# Altium PCB Audio-Beamformer_V1.0.PcbDoc (part 10 of 11) (continued)
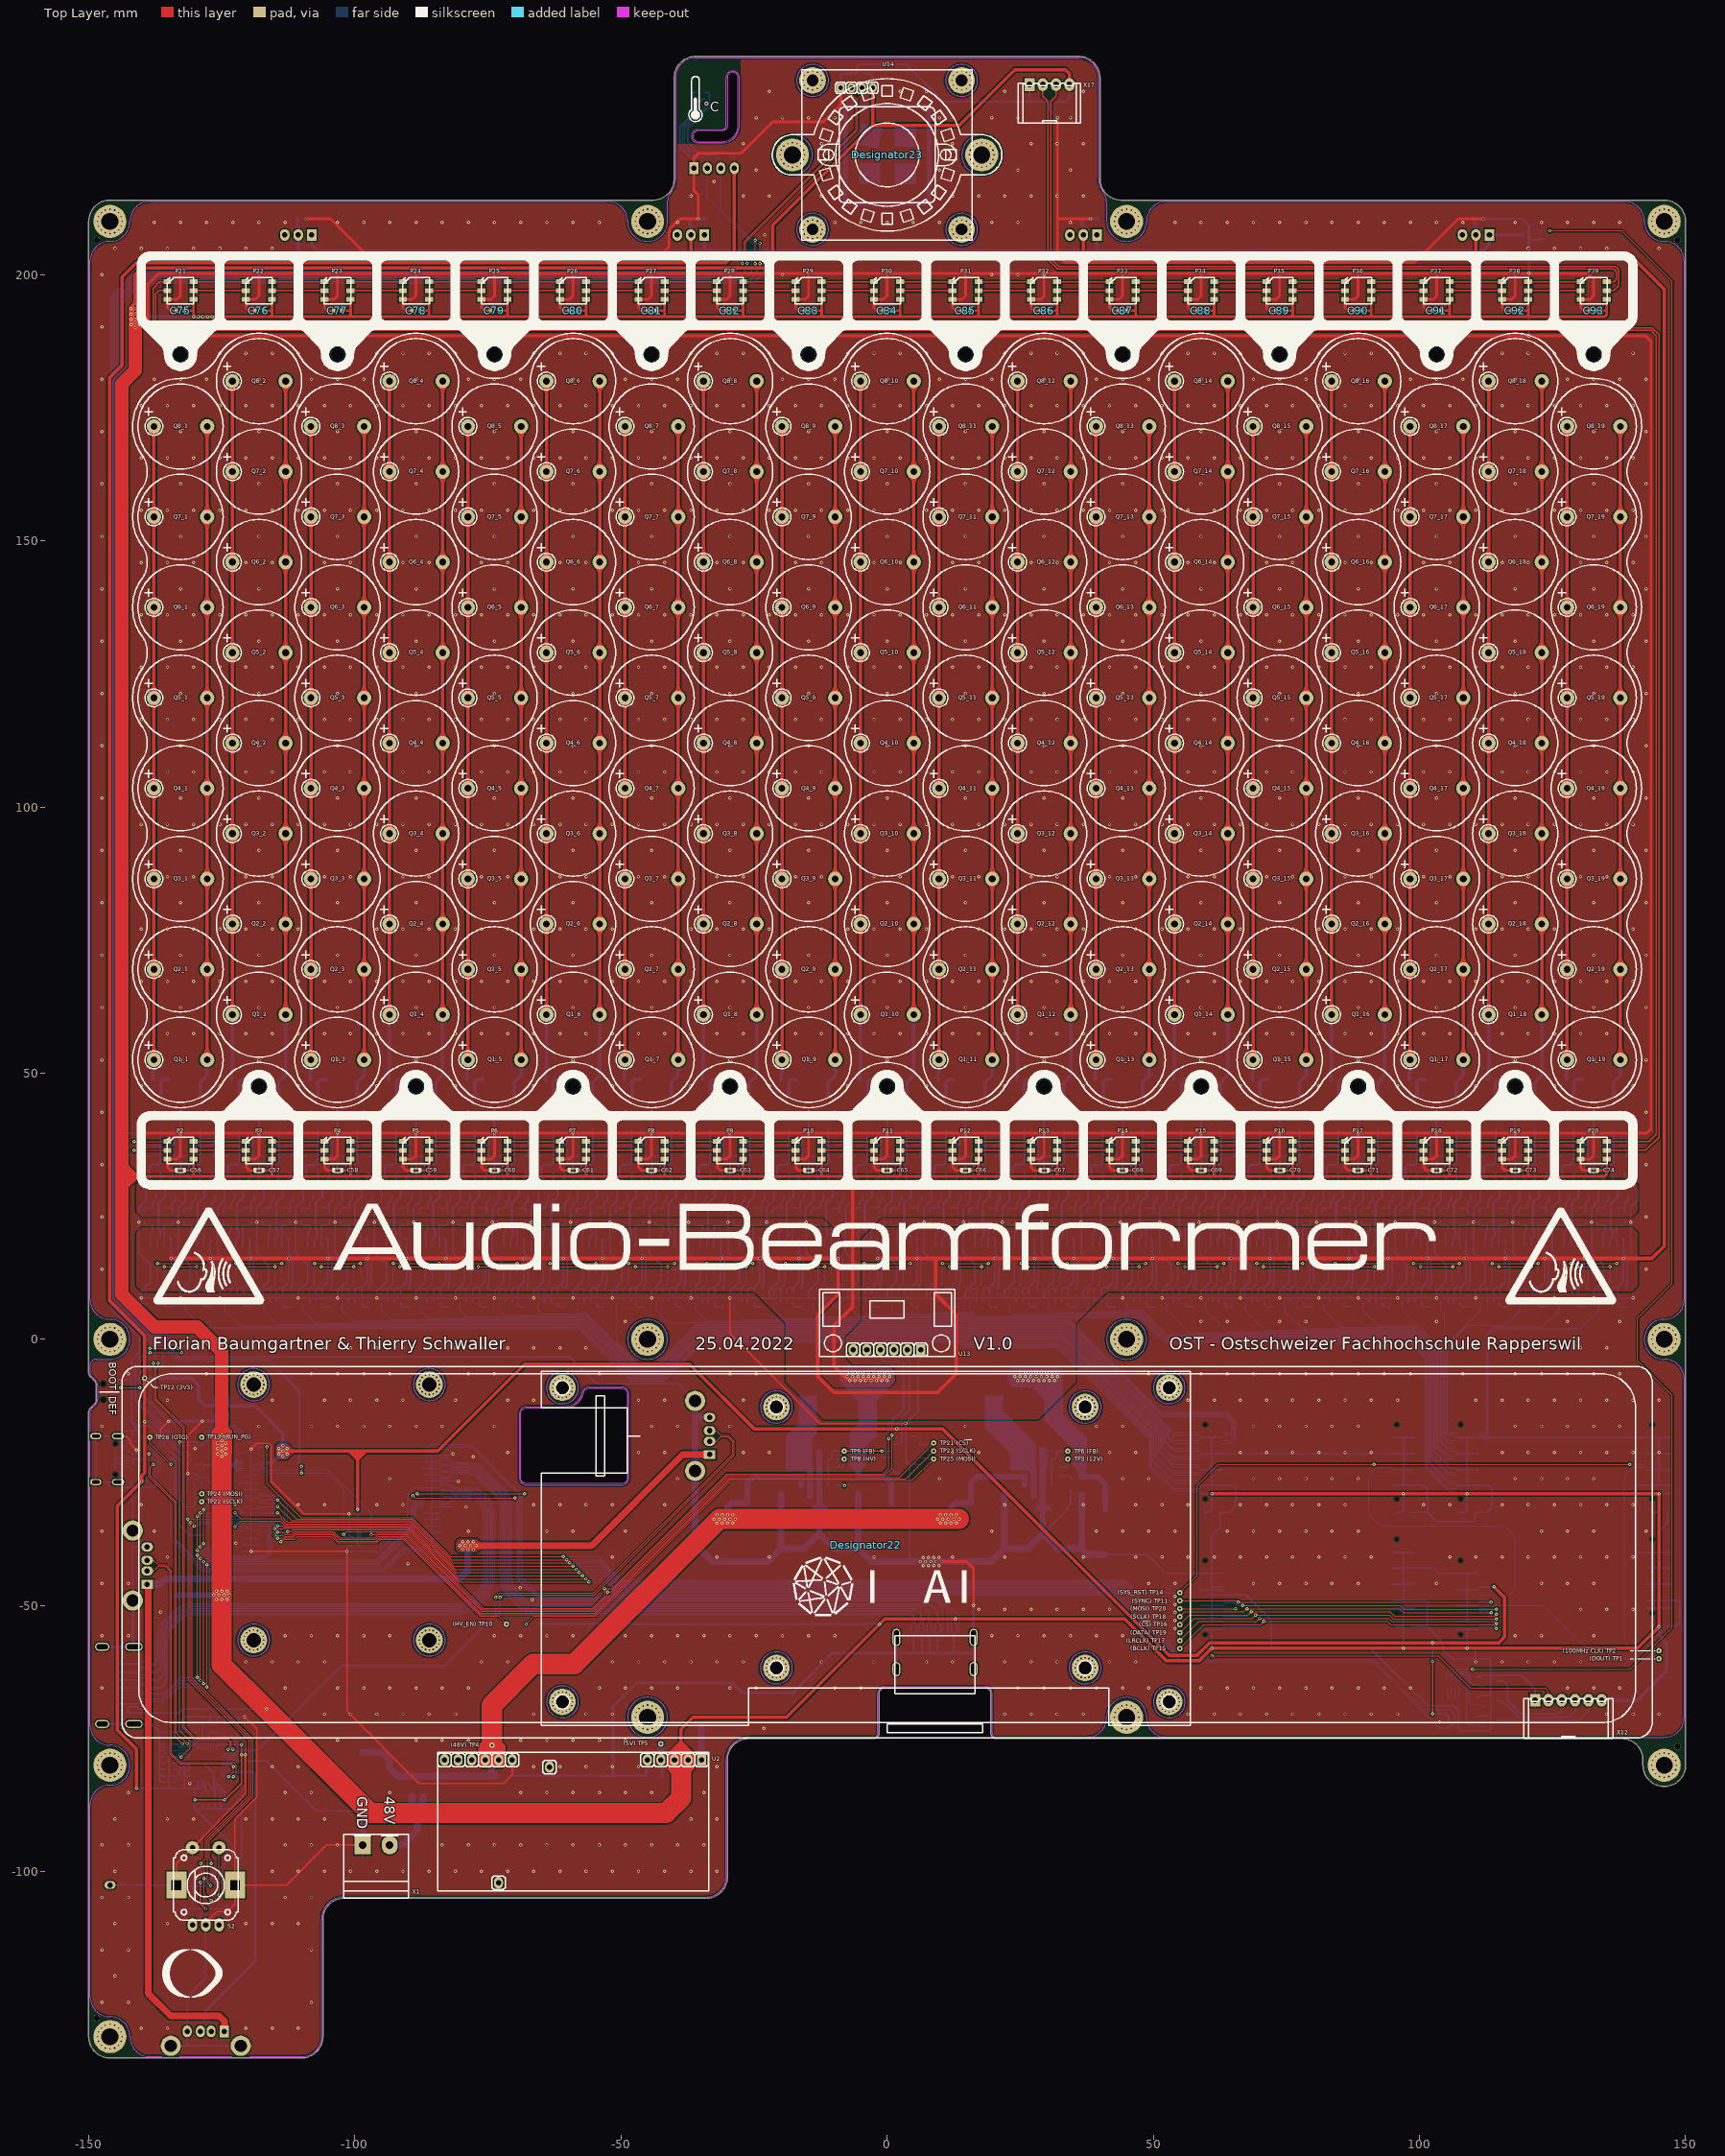
[diagram p0: Top Layer view]
## Nets (pads, with @x,y where several pads share a name; then routed paths per layer and width w, separated by ;. In a path a pad name is that pad's centre, name@x,y a point inside that pad or via, vN(x,y) a via of type N, cw(c..) or ccw(c..) an arc to the next point about the centre after c; other vN are vias at no path point) (continued)

## Polygon pours and split planes (outlines as drawn)
A14_2 on Bottom Layer "GND" (solid, remove dead copper, pour order 26): -146,-135 cw(c-146,-131) -150,-131 -150,210 cw(c-146,210) -146,214 -44,214 ccw(c-44,218) -40,218 -40,224.5 -31,224.5 ccw(c-31,228) -27.5,228 -27.5,241 36,241 cw(c36,237) 40,237 40,218 ccw(c44,218) 44,214 146,214 cw(c146,210) 150,210 150,-80 cw(c146,-80) 146,-84 cw(c146,-80) 142,-80 142,-79 ccw(c138,-79) 138,-75 20.5,-75 cw(c20.5,-74) 19.5,-74 19.5,-66.5 ccw(c18.5,-66.5) 18.5,-65.5 -0.5,-65.5 ccw(c-0.5,-66.5) -1.5,-66.5 -1.5,-74 cw(c-2.5,-74) -2.5,-75 -26,-75 ccw(c-26,-79) -30,-79 -30,-101 cw(c-34,-101) -34,-105 -102,-105 ccw(c-102,-109) -106,-109 -106,-131 cw(c-110,-131) -110,-135 -143.5,-135
48V on Bottom Layer "48V_L02_P023" (solid, remove dead copper, pour order 23): -100,-74.5 -100,-80.5 -95.25,-80.5 -91.25,-84.5 -72.5,-84.5 -71.75,-83.75 -71.75,-77 -73.5,-75.25 -75,-75.25 -77,-77.25 -77,-80 -77.75,-80.75 -84.25,-80.75 -85.5,-79.5 -90.5,-79.5 -95.5,-74.5
NetD1_A on Bottom Layer "NETD1_A_L02_P022" (solid, remove dead copper, pour order 22): -95.25,-96.25 -94.5,-97 -90.5,-97 -86,-92.5 -86,-85 -90.5,-85 -90.5,-88.75 -95.25,-93.5
5V on Bottom Layer "5V_L02_P020" (solid, remove dead copper, pour order 20): -142.5,190.35 -141.9,189.75 -140.6,189.75 -138.25,192.1 -140.65,194.5 -141.85,194.5 -142.5,193.85
5V on Bottom Layer "5V_L02_P019" (solid, remove dead copper, pour order 19): -122.1,-22.5 -122.1,-24.7 -122.3,-24.7 -122.7,-24.3 -127.1,-24.3 -127.1,-23.05 -126.9,-22.851 -122.65,-22.851 -122.3,-22.5
A17_1 on Bottom Layer "A17_1_L02_P018" (solid, remove dead copper, pour order 18): -117.925,-23.525 -113.725,-23.525 -112.2,-22 -114.8,-22 -115.675,-22.875 -117.925,-22.875
A14_2 on Bottom Layer "A14_2_L02_P016" (solid, remove dead copper, pour order 16): 10,-43 10.7,-42.3 10.7,-41.2 10,-40.5 6.5,-40.5 5.75,-41.25 5.75,-42.25 6.5,-43
NetF1_1 on Bottom Layer "NETF1_1_L02_P013" (solid, remove dead copper, pour order 13): -80.5,-37.5 -81,-38 -81,-39.5 -79.25,-41.25 -78.25,-41.25 -76.5,-39.5 -76.5,-38 -77,-37.5
HV on Bottom Layer "HV_L02_P012" (solid, remove dead copper, pour order 12): -0.5,-33.5 2,-33.5 2,-26.8 -2,-22.8 -2,-18.1 -7,-18.1 -7,-25.8 -6.4,-26.4 -2.1,-26.4 -0.5,-28
12V on Bottom Layer "12V_L02_P011" (solid, remove dead copper, pour order 11): 35,-20.6 35,-25.7 35.7,-26.4 37.7,-26.4 39.7,-28.4 39.7,-34.7 40,-35 42,-35 42.3,-34.7 42.3,-23.3 31.3,-12.3 29.6,-12.3 29.6,-15.2
5V on Bottom Layer "5V_L02_P009" (solid, remove dead copper, pour order 9): -123.1,-47.25 -123.6,-46.75 -126.4,-46.75 -127.15,-47.5 -134.4,-47.5 -134.4,-48.575 -127.175,-48.575 -126.5,-49.25 -123.6,-49.25 -123.1,-48.75
5V on Bottom Layer "5V_L02_P008" (solid, remove dead copper, pour order 8): -123.1,-23.6 -123.1,-18.1 -123.7,-17.5 -126.3,-17.5 -126.9,-18.1 -126.9,-23.6
48V on Bottom Layer "48V_L02_P002" (solid, remove dead copper, pour order 2): 17.5,-35.75 10,-35.75 9,-34.75 9,-31.25 15.25,-25 26.35,-25 26.35,-29.825 25.25,-29.825 25.25,-28.25 24.5,-27.5 19.75,-27.5 18.5,-28.75 18.5,-34.75
48V on Bottom Layer "48V_L02_P001" (solid, remove dead copper, pour order 1): -24.5,-35.75 -32,-35.75 -33,-34.75 -33,-31.25 -26.75,-25 -15.65,-25 -15.65,-29.825 -16.75,-29.825 -16.75,-28.25 -17.5,-27.5 -22.25,-27.5 -23.5,-28.75 -23.5,-34.75
A14_2 on Top Layer "A14_2_L01_P025" (solid, remove dead copper, pour order 25): -146,-135 cw(c-146,-131) -150,-131 -150,210 cw(c-146,210) -146,214 -44,214 ccw(c-44,218) -40,218 -40,224.5 -31,224.5 ccw(c-31,228) -27.5,228 -27.5,241 36,241 cw(c36,237) 40,237 40,218 ccw(c44,218) 44,214 146,214 cw(c146,210) 150,210 150,-80 cw(c146,-80) 146,-84 cw(c146,-80) 142,-80 142,-79 ccw(c138,-79) 138,-75 20.5,-75 cw(c20.5,-74) 19.5,-74 19.5,-66.5 ccw(c18.5,-66.5) 18.5,-65.5 -0.5,-65.5 ccw(c-0.5,-66.5) -1.5,-66.5 -1.5,-74 cw(c-2.5,-74) -2.5,-75 -26,-75 ccw(c-26,-79) -30,-79 -30,-101 cw(c-34,-101) -34,-105 -102,-105 ccw(c-102,-109) -106,-109 -106,-131 cw(c-110,-131) -110,-135 -143.5,-135
A17_1 on Top Layer "A17_1_L01_P017" (solid, remove dead copper, pour order 17): -114.8,-20 -114.3,-19.5 -112.7,-19.5 -111.5,-20.7 -111.5,-21.3 -112.7,-22.5 -114.3,-22.5 -114.8,-22
A14_2 on Top Layer "A14_2_L01_P015" (solid, remove dead copper, pour order 15): 6.5,-43 5.9,-42.4 5.9,-41.1 6.5,-40.5 10,-40.5 11.1,-41.6 11.1,-41.9 10,-43
NetF1_1 on Top Layer "NETF1_1_L01_P014" (solid, remove dead copper, pour order 14): -80.5,-40 -81,-39.5 -81,-38 -80.5,-37.5 -77,-37.5 -76.25,-38.25 -76.25,-39.25 -77,-40
12V on Top Layer "12V_L01_P006" (solid, remove dead copper, pour order 6): -140,21 -141,20 -141,10 -140,9 -25,9 -19,3 -19,-8 -12,-15 28.4,-15 35.4,-8 35.4,3 41.4,9 140,9 141,10 141,20 140,21
A14_2 on Top Layer "A14_2_L01_P007" (solid, remove dead copper, pour order 7): -141,20 -140,21 140,21 141,20 141,24 140,23 -140,23 -141,24
HV on Top Layer "HV_L01_P003" (solid, remove dead copper, pour order 3): -140,30 -141,29 -141,24 -140,23 -12,23 -8.5,19.5 -8.5,8.5 -12.5,4.5 -12.5,-6.5 -10,-9 0.5,-9 1.5,-8 1.5,-6 0.5,-5 -6.5,-5 -8,-3.5 -8,0.5 -5,3.5 -5,19 -1,23 140,23 141,24 141,29 140,30
no net on Top Overlay "NONET_L02_P-001" (solid): 22.25,42.75 ccw(c22.25,44.173) 23.256,43.167 25.73,45.64 ccw(c23.87,47.5) 26.5,47.5 cw(c29.5,47.5) 29.5,50.5 cw(c29.5,47.5) 32.5,47.5 ccw(c35.13,47.5) 33.27,45.64 35.744,43.167 ccw(c36.75,44.173) 36.75,42.75
no net on Top Overlay "NONET_L02_P-001" (solid): 51.75,42.75 ccw(c51.75,44.173) 52.756,43.167 55.23,45.64 ccw(c53.37,47.5) 56,47.5 cw(c59,47.5) 59,50.5 cw(c59,47.5) 62,47.5 ccw(c64.63,47.5) 62.77,45.64 65.244,43.167 ccw(c66.25,44.173) 66.25,42.75
no net on Top Overlay "NONET_L02_P-001" (solid): 81.25,42.75 ccw(c81.25,44.173) 82.256,43.167 84.73,45.64 ccw(c82.87,47.5) 85.5,47.5 cw(c88.5,47.5) 88.5,50.5 cw(c88.5,47.5) 91.5,47.5 ccw(c94.13,47.5) 92.27,45.64 94.744,43.167 ccw(c95.75,44.173) 95.75,42.75
no net on Top Overlay "NONET_L02_P-001" (solid): 110.75,42.75 ccw(c110.75,44.173) 111.756,43.167 114.23,45.64 ccw(c112.37,47.5) 115,47.5 cw(c118,47.5) 118,50.5 cw(c118,47.5) 121,47.5 ccw(c123.63,47.5) 121.77,45.64 124.244,43.167 ccw(c125.25,44.173) 125.25,42.75
no net on Top Overlay "NONET_L02_P-001" (solid): -110.75,42.75 cw(c-110.75,44.173) -111.756,43.167 -114.23,45.64 cw(c-112.37,47.5) -115,47.5 ccw(c-118,47.5) -118,50.5 ccw(c-118,47.5) -121,47.5 cw(c-123.63,47.5) -121.77,45.64 -124.244,43.167 cw(c-125.25,44.173) -125.25,42.75
no net on Top Overlay "NONET_L02_P-001" (solid): -81.25,42.75 cw(c-81.25,44.173) -82.256,43.167 -84.73,45.64 cw(c-82.87,47.5) -85.5,47.5 ccw(c-88.5,47.5) -88.5,50.5 ccw(c-88.5,47.5) -91.5,47.5 cw(c-94.13,47.5) -92.27,45.64 -94.744,43.167 cw(c-95.75,44.173) -95.75,42.75
no net on Top Overlay "NONET_L02_P-001" (solid): -51.75,42.75 cw(c-51.75,44.173) -52.756,43.167 -55.23,45.64 cw(c-53.37,47.5) -56,47.5 ccw(c-59,47.5) -59,50.5 ccw(c-59,47.5) -62,47.5 cw(c-64.63,47.5) -62.77,45.64 -65.244,43.167 cw(c-66.25,44.173) -66.25,42.75
no net on Top Overlay "NONET_L02_P-001" (solid): -22.25,42.75 cw(c-22.25,44.173) -23.256,43.167 -25.73,45.64 cw(c-23.87,47.5) -26.5,47.5 ccw(c-29.5,47.5) -29.5,50.5 ccw(c-29.5,47.5) -32.5,47.5 cw(c-35.13,47.5) -33.27,45.64 -35.744,43.167 cw(c-36.75,44.173) -36.75,42.75
no net on Top Overlay "NONET_L02_P-001" (solid): 7.25,42.75 cw(c7.25,44.173) 6.244,43.167 3.77,45.64 cw(c5.63,47.5) 3,47.5 ccw(c0,47.5) 0,50.5 ccw(c0,47.5) -3,47.5 cw(c-5.63,47.5) -3.77,45.64 -6.244,43.167 cw(c-7.25,44.173) -7.25,42.75
no net on Top Overlay "NONET_L02_P-001" (solid): 22,189.75 ccw(c22,188.327) 20.994,189.333 18.52,186.86 ccw(c20.38,185) 17.75,185 cw(c14.75,185) 14.75,182 cw(c14.75,185) 11.75,185 ccw(c9.12,185) 10.98,186.86 8.506,189.333 ccw(c7.5,188.327) 7.5,189.75
no net on Top Overlay "NONET_L02_P-001" (solid): 51.5,189.75 ccw(c51.5,188.327) 50.494,189.333 48.02,186.86 ccw(c49.88,185) 47.25,185 cw(c44.25,185) 44.25,182 cw(c44.25,185) 41.25,185 ccw(c38.62,185) 40.48,186.86 38.006,189.333 ccw(c37,188.327) 37,189.75
no net on Top Overlay "NONET_L02_P-001" (solid): 81,189.75 ccw(c81,188.327) 79.994,189.333 77.52,186.86 ccw(c79.38,185) 76.75,185 cw(c73.75,185) 73.75,182 cw(c73.75,185) 70.75,185 ccw(c68.12,185) 69.98,186.86 67.506,189.333 ccw(c66.5,188.327) 66.5,189.75
no net on Top Overlay "NONET_L02_P-001" (solid): 110.5,189.75 ccw(c110.5,188.327) 109.494,189.333 107.02,186.86 ccw(c108.88,185) 106.25,185 cw(c103.25,185) 103.25,182 cw(c103.25,185) 100.25,185 ccw(c97.62,185) 99.48,186.86 97.006,189.333 ccw(c96,188.327) 96,189.75
no net on Top Overlay "NONET_L02_P-001" (solid): 139.619,190.036 ccw(c139.939,189.45) 139.299,189.638 136.52,186.86 ccw(c138.38,185) 135.75,185 cw(c132.75,185) 132.75,182 cw(c132.75,185) 129.75,185 ccw(c127.12,185) 128.98,186.86 126.506,189.333 ccw(c125.5,188.327) 125.5,189.75
no net on Top Overlay "NONET_L02_P-001" (solid): -139.619,190.036 cw(c-139.939,189.45) -139.299,189.638 -136.52,186.86 cw(c-138.38,185) -135.75,185 ccw(c-132.75,185) -132.75,182 ccw(c-132.75,185) -129.75,185 cw(c-127.12,185) -128.98,186.86 -126.506,189.333 cw(c-125.5,188.327) -125.5,189.75
no net on Top Overlay "NONET_L02_P-001" (solid): -110.5,189.75 cw(c-110.5,188.327) -109.494,189.333 -107.02,186.86 cw(c-108.88,185) -106.25,185 ccw(c-103.25,185) -103.25,182 ccw(c-103.25,185) -100.25,185 cw(c-97.62,185) -99.48,186.86 -97.006,189.333 cw(c-96,188.327) -96,189.75
no net on Top Overlay "NONET_L02_P-001" (solid): -81,189.75 cw(c-81,188.327) -79.994,189.333 -77.52,186.86 cw(c-79.38,185) -76.75,185 ccw(c-73.75,185) -73.75,182 ccw(c-73.75,185) -70.75,185 cw(c-68.12,185) -69.98,186.86 -67.506,189.333 cw(c-66.5,188.327) -66.5,189.75
no net on Top Overlay "NONET_L02_P-001" (solid): -51.5,189.75 cw(c-51.5,188.327) -50.494,189.333 -48.02,186.86 cw(c-49.88,185) -47.25,185 ccw(c-44.25,185) -44.25,182 ccw(c-44.25,185) -41.25,185 cw(c-38.62,185) -40.48,186.86 -38.006,189.333 cw(c-37,188.327) -37,189.75
no net on Top Overlay "NONET_L02_P-001" (solid): -22,189.75 cw(c-22,188.327) -20.994,189.333 -18.52,186.86 cw(c-20.38,185) -17.75,185 ccw(c-14.75,185) -14.75,182 ccw(c-14.75,185) -11.75,185 cw(c-9.12,185) -10.98,186.86 -8.506,189.333 cw(c-7.5,188.327) -7.5,189.75

## Keep-outs
Keep-Out Layer:
  circle w0.203: c-14,236.5 r3
  circle w0.203: c14,236.5 r3
  circle w0.203: c14,208.5 r3
  circle w0.203: c-14,208.5 r3
  circle w0.203: c17.78,222.5 r3.75
  circle w0.203: c-17.78,222.5 r3.75
  circle w0.203: c-61,-68.1 r3
  circle w0.203: c-20.8,-61.725 r3
  circle w0.203: c37.2,-61.725 r3
  circle w0.203: c53,-68.1 r3
  circle w0.203: c53,-9.1 r3
  circle w0.203: c37.2,-12.725 r3
  circle w0.203: c-20.8,-12.725 r3
  circle w0.203: c-61,-9.1 r3
  circle w0.203: c-86,-56.5 r3
  circle w0.203: c-119,-56.5 r3
  circle w0.203: c-119,-8.5 r3
  circle w0.203: c-86,-8.5 r3
  circle w0.203: c45,0 r3.75
  circle w0.203: c-45,0 r3.75
  circle w0.203: c-45,-71 r3.75
  lines w0.203: -149.75,-27.75 -149.75,-72.5 ccw(c-146,-72.5) -146,-76.25 cw(c-146,-80) -142.25,-80 cw(c-146,-80) -146,-83.75 ccw(c-146,-87.5) -149.75,-87.5 -149.75,-123.5 ccw(c-146,-123.5) -146,-127.25 cw(c-146,-131) -142.25,-131 ccw(c-138.5,-131) -138.5,-134.75 -136.25,-134.75 ; -149.75,-25.89 -149.75,-22.5 -149.75,-19.11 ; -149.75,-17.25 -149.75,-13.725 cw(c-148.793,-13.725) -149.47,-13.048 -148.727,-12.305 ccw(c-149.757,-11.275) -148.3,-11.275 ; -148.3,-8.675 ccw(c-149.757,-8.675) -148.727,-7.645 -149.47,-6.902 cw(c-148.793,-6.225) -149.75,-6.225 -149.75,-5 cw(c-148.5,-5) -148.5,-3.75 -146,-3.75 ccw(c-146,0) -142.25,0 ccw(c-146,0) -146,3.75 cw(c-146,7.5) -149.75,7.5 -149.75,202.5 cw(c-146,202.5) -146,206.25 ccw(c-146,210) -142.25,210 cw(c-138.5,210) -138.5,213.75 -52.5,213.75 cw(c-52.5,210) -48.75,210 ccw(c-45,210) -45,206.25 ccw(c-45,210) -41.25,210 -41.25,213.75 cw(c-38.75,213.75) -40.665,215.357 ; -148.3,-11.275 -148.3,-8.675 ; -132.89,-134.75 -127.5,-134.75 -123.11,-134.75 ; -119.75,-134.75 -110,-134.75 ccw(c-110,-131) -106.25,-131 -106.25,-109 cw(c-102,-109) -102,-104.75 -34,-104.75 ccw(c-34,-101) -30.25,-101 -30.25,-79 cw(c-26,-79) -26,-74.75 -2.5,-74.75 ccw(c-2.5,-74) -1.75,-74 -1.75,-66.5 cw(c-0.5,-66.5) -0.5,-65.25 18.5,-65.25 cw(c18.5,-66.5) 19.75,-66.5 19.75,-74 ccw(c20.5,-74) 20.5,-74.75 37.5,-74.75 ccw(c37.5,-71) 41.25,-71 cw(c45,-71) 45,-67.25 cw(c45,-71) 48.75,-71 ccw(c52.5,-71) 52.5,-74.75 146,-74.75 ccw(c146,-71) 149.75,-71 149.75,-7.5 ccw(c146,-7.5) 146,-3.75 cw(c146,0) 142.25,0 cw(c146,0) 146,3.75 ccw(c146,7.5) 149.75,7.5 149.75,202.5 ccw(c146,202.5) 146,206.25 cw(c146,210) 142.25,210 ccw(c138.5,210) 138.5,213.75 52.5,213.75 ccw(c52.5,210) 48.75,210 cw(c45,210) 45,206.25 cw(c45,210) 41.25,210 41.25,213.75 ccw(c38.75,213.75) 40.665,215.357 ; -40.669,215.36 ccw(c-44,218) -39.75,218 -39.75,237 cw(c-36,237) -36,240.75 0,240.75 36,240.75 cw(c36,237) 39.75,237 39.75,218 ccw(c44,218) 40.669,215.36 ; -69.05,-26.1 ccw(c-67.8,-26.1) -67.8,-27.35 -49.8,-27.35 ccw(c-49.8,-26.1) -48.55,-26.1 -48.55,-10.2 ccw(c-49.8,-10.2) -49.8,-8.95 -56.025,-8.95 ccw(c-56.025,-10.162) -57.185,-9.812 -57.268,-10.093 cw(c-60.6,-9.2) -60.6,-12.65 -67.8,-12.65 ccw(c-67.8,-13.9) -69.05,-13.9 -69.05,-26.1 ; -36.75,226 cw(c-35.5,226) -35.5,227.25 -31,227.25 ccw(c-31,228) -30.25,228 -30.25,237 cw(c-29,237) -29,238.25 cw(c-29,237) -27.75,237 -27.75,228 cw(c-31,228) -31,224.75 -35.5,224.75 cw(c-35.5,226) -36.75,226

## Other copper
Top Layer:
  region net 5V: -36.17,-80.67 -36.17,-77.83 -38.75,-75.25 -41.22,-77.72 -41.22,-80.78 -39.1,-82.9 -38.4,-82.9
  region net 48V: -76.75,-76.25 -76.75,-79.75 -76,-80.5 -72.45,-80.5 -71.7,-79.75 -71.7,-76.3 -72.9,-75.1 -75.6,-75.1
  region net 5V: -126.9,-21.5 -126.9,-17.2 -125.7,-16 -124.3,-16 -123.1,-17.2 -123.1,-21.5
  region net A17_1: -101.5,-21 -99.5,-23 -97.5,-21
  region net 5V: -142.9,28.1 -140.4,30.6 -142.9,33.1
  region net 5V: -142.5,188.85 -142.5,193.85 -141.5,194.85 -141,194.85 -140,193.85 -140,188.85
Bottom Layer:
  region net A14_2: -8.25,232 -8.25,213 8.25,213 8.25,232 -5.5,232 -5.5,231.25 6.25,231.25 cw(c6.25,230) 7.5,230 7.5,215 cw(c6.25,215) 6.25,213.75 -6.25,213.75 cw(c-6.25,215) -7.5,215 -7.5,230 cw(c-6.25,230) -6.25,231.25 -5.5,231.25 -5.5,232
  region net A14_2: 210 vertices and 0 holes, not listed, extent -5.531,223.794 -0.978,228.289
  region net A14_2: 1.501,220.854 1.501,220.797 1.501,220.739 1.501,220.681 1.501,220.624 1.501,220.566 1.501,220.509 1.501,220.451 1.501,220.393 1.501,220.336 1.501,220.278 1.501,220.22 1.501,220.163 1.501,220.105 1.501,220.047 1.501,219.99 1.501,219.932 1.501,219.875 1.501,219.817 1.501,219.759 1.501,219.702 1.501,219.644 1.501,219.586 1.501,219.529 1.501,219.471 1.501,219.413 1.501,219.356 1.501,219.298 1.501,219.241 1.501,219.183 1.501,219.125 1.501,219.068 1.501,219.01 1.501,218.952 1.501,218.895 1.501,218.837 1.501,218.779 1.501,218.722 1.501,218.664 1.501,218.607 1.501,218.549 1.501,218.491 1.501,218.434 1.501,218.376 1.501,218.318 1.501,218.261 1.501,218.203 1.501,218.145 1.501,218.088 1.501,218.03 1.501,217.973 1.501,217.915 1.501,217.857 1.501,217.8 1.501,217.742 1.501,217.684 1.501,217.627 1.501,217.569 1.501,217.511 1.501,217.454 1.501,217.396 1.501,217.339 1.501,217.281 1.501,217.223 1.501,217.166 1.501,217.108 1.501,217.05 1.501,216.993 5.42,216.993 5.42,217.05 5.42,217.108 5.42,217.166 5.42,217.223 5.42,217.281 5.42,217.339 5.42,217.396 5.42,217.454 5.42,217.511 5.42,217.569 5.42,217.627 5.42,217.684 5.42,217.742 5.42,217.8 5.42,217.857 5.42,217.915 5.42,217.973 5.42,218.03 5.42,218.088 5.42,218.145 5.42,218.203 5.42,218.261 5.42,218.318 5.42,218.376 5.42,218.434 5.42,218.491 5.42,218.549 5.42,218.607 5.42,218.664 5.42,218.722 5.42,218.779 5.42,218.837 5.42,218.895 5.42,218.952 5.42,219.01 5.42,219.068 5.42,219.125 5.42,219.183 5.42,219.241 5.42,219.298 5.42,219.356 5.42,219.413 5.42,219.471 5.42,219.529 5.42,219.586 5.42,219.644 5.42,219.702 5.42,219.759 5.42,219.817 5.42,219.875 5.42,219.932 5.42,219.99 5.42,220.047 5.42,220.105 5.42,220.163 5.42,220.22 5.42,220.278 5.42,220.336 5.42,220.393 5.42,220.451 5.42,220.509 5.42,220.566 5.42,220.624 5.42,220.681 5.42,220.739 5.42,220.797 5.42,220.854 5.362,220.854 5.362,220.912 1.501,220.912
  region net A14_2: -5.243,220.854 -5.243,220.797 -5.243,220.739 -5.243,220.681 -5.243,220.624 -5.243,220.566 -5.243,220.509 -5.243,220.451 -5.243,220.393 -5.243,220.336 -5.243,220.278 -5.243,220.22 -5.243,220.163 -5.243,220.105 -5.243,220.047 -5.243,219.99 -5.243,219.932 -5.243,219.875 -5.243,219.817 -5.243,219.759 -5.243,219.702 -5.243,219.644 -5.243,219.586 -5.243,219.529 -5.243,219.471 -5.243,219.413 -5.243,219.356 -5.243,219.298 -5.243,219.241 -5.243,219.183 -5.243,219.125 -5.243,219.068 -5.243,219.01 -5.243,218.952 -5.243,218.895 -5.243,218.837 -5.243,218.779 -5.243,218.722 -5.243,218.664 -5.243,218.607 -5.243,218.549 -5.243,218.491 -5.243,218.434 -5.243,218.376 -5.243,218.318 -5.243,218.261 -5.243,218.203 -5.243,218.145 -5.243,218.088 -5.243,218.03 -5.243,217.973 -5.243,217.915 -5.243,217.857 -5.243,217.8 -5.243,217.742 -5.243,217.684 -5.243,217.627 -5.243,217.569 -5.243,217.511 -5.243,217.454 -5.243,217.396 -5.243,217.339 -5.243,217.281 -5.243,217.223 -5.243,217.166 -5.243,217.108 -5.243,217.05 -5.243,216.993 -1.324,216.993 -1.324,217.05 -1.324,217.108 -1.324,217.166 -1.324,217.223 -1.324,217.281 -1.324,217.339 -1.324,217.396 -1.324,217.454 -1.324,217.511 -1.324,217.569 -1.324,217.627 -1.324,217.684 -1.324,217.742 -1.324,217.8 -1.324,217.857 -1.324,217.915 -1.324,217.973 -1.324,218.03 -1.324,218.088 -1.324,218.145 -1.324,218.203 -1.324,218.261 -1.324,218.318 -1.324,218.376 -1.324,218.434 -1.324,218.491 -1.324,218.549 -1.324,218.607 -1.324,218.664 -1.324,218.722 -1.324,218.779 -1.324,218.837 -1.324,218.895 -1.324,218.952 -1.324,219.01 -1.324,219.068 -1.324,219.125 -1.324,219.183 -1.324,219.241 -1.324,219.298 -1.324,219.356 -1.324,219.413 -1.324,219.471 -1.324,219.529 -1.324,219.586 -1.324,219.644 -1.324,219.702 -1.324,219.759 -1.324,219.817 -1.324,219.875 -1.324,219.932 -1.324,219.99 -1.324,220.047 -1.324,220.105 -1.324,220.163 -1.324,220.22 -1.324,220.278 -1.324,220.336 -1.324,220.393 -1.324,220.451 -1.324,220.509 -1.324,220.566 -1.324,220.624 -1.324,220.681 -1.324,220.739 -1.324,220.797 -1.324,220.854 -1.324,220.912 -5.243,220.912
  region net A14_2: 1.501,227.886 1.501,227.828 1.501,227.771 1.501,227.713 1.501,227.655 1.501,227.598 1.501,227.54 1.501,227.483 1.501,227.425 1.501,227.367 1.501,227.31 1.501,227.252 1.501,227.194 1.501,227.137 1.501,227.079 1.501,227.021 1.501,226.964 1.501,226.906 1.501,226.849 1.501,226.791 1.501,226.733 1.501,226.676 1.501,226.618 1.501,226.56 1.501,226.503 1.501,226.445 1.501,226.387 1.501,226.33 1.501,226.272 1.501,226.215 1.501,226.157 1.501,226.099 1.501,226.042 1.501,225.984 1.501,225.926 1.501,225.869 1.501,225.811 1.501,225.753 1.501,225.696 1.501,225.638 1.501,225.581 1.501,225.523 1.501,225.465 1.501,225.408 1.501,225.35 1.501,225.292 1.501,225.235 1.501,225.177 1.501,225.119 1.501,225.062 1.501,225.004 1.501,224.947 1.501,224.889 1.501,224.831 1.501,224.774 1.501,224.716 1.501,224.658 1.501,224.601 1.501,224.543 1.501,224.485 1.501,224.428 1.501,224.37 1.501,224.313 1.501,224.255 1.501,224.197 1.501,224.14 1.501,224.082 1.501,224.024 5.42,224.024 5.42,224.082 5.42,224.14 5.42,224.197 5.42,224.255 5.42,224.313 5.42,224.37 5.42,224.428 5.42,224.485 5.42,224.543 5.42,224.601 5.42,224.658 5.42,224.716 5.42,224.774 5.42,224.831 5.42,224.889 5.42,224.947 5.42,225.004 5.42,225.062 5.42,225.119 5.42,225.177 5.42,225.235 5.42,225.292 5.42,225.35 5.42,225.408 5.42,225.465 5.42,225.523 5.42,225.581 5.42,225.638 5.42,225.696 5.42,225.753 5.42,225.811 5.42,225.869 5.42,225.926 5.42,225.984 5.42,226.042 5.42,226.099 5.42,226.157 5.42,226.215 5.42,226.272 5.42,226.33 5.42,226.387 5.42,226.445 5.42,226.503 5.42,226.56 5.42,226.618 5.42,226.676 5.42,226.733 5.42,226.791 5.42,226.849 5.42,226.906 5.42,226.964 5.42,227.021 5.42,227.079 5.42,227.137 5.42,227.194 5.42,227.252 5.42,227.31 5.42,227.367 5.42,227.425 5.42,227.483 5.42,227.54 5.42,227.598 5.42,227.655 5.42,227.713 5.42,227.771 5.42,227.828 5.42,227.886 5.42,227.944 1.501,227.944
  pour cut-out: -7.5,231.25 7.5,231.25 7.5,213.75 -7.5,213.75
  region net A17_1: -113.8,-19 -114.8,-20 -114.8,-22.2 -114.5,-22.5 -112.7,-22.5 -112.2,-22 -112.2,-20 -113.2,-19
  region net 12V: 32,-5 33,-6 33,-14 29.6,-14 29.6,-11.4 27.2,-9 23.6,-9 22.6,-8 22.6,-6 23.6,-5
  region net HV: 0.5,-5 1.5,-6 1.5,-8 -2,-11.5 -2,-18.1 -3.2,-18.1 -5.4,-15.9 -5.4,-11.5 -8.9,-8 -8.9,-6 -7.9,-5
  region net NetD3_K: -14.15,-19 -14.15,-18.65 -13.2,-17.7 -13.2,-10.6 -16.6,-10.6 -16.6,-15.8 -18.95,-18.15 -18.95,-19
  region net NetD3_K: -15.05,-29.825 -15.05,-25.025 -15.45,-24.625 -18.95,-24.625 -18.95,-21.375 -18.95,-19 -14.15,-19 -14.15,-19.55 -14.15,-23.825 -13.95,-24.025 -13.95,-29.825
  region net HV: -5.4,-10.6 -2,-10.6 -2,-18.1 -4,-20.1 -4,-23.7 -5.1,-24.8 -5.9,-24.8 -7,-23.7 -7,-17.5 -5.4,-15.9
  region net 12V: 29.6,-10.6 33,-10.6 33,-14 37.5,-18.5 37.5,-24.5 37,-25 36.1,-25 35,-23.9 35,-20.6 29.6,-15.2
  region net 5V: -122.1,-22.5 -122.3,-22.5 -122.55,-22.75 -122.55,-23.125 -122.7,-23.275 -123.475,-23.275 -123.475,-23.925 -122.7,-23.925 -122.55,-24.075 -122.55,-24.45 -122.3,-24.7 -122.1,-24.7
  region net A14_2: -13.3,-30.75 -14.4,-31.85 -14.4,-32.15 -11,-32.15 -11,-31.95 -12.2,-30.75
  region net A14_2: 30,-20.35 30,-23.95 29.8,-24.15 29.8,-31.85 28.7,-31.85 28.7,-24.15 28.6,-24.05 28.6,-20.35
  region net A14_2: 28.7,-30.75 27.6,-31.85 27.6,-32.15 31,-32.15 31,-31.95 29.8,-30.75
  region net NetD2_K: 26.95,-29.825 26.95,-25.025 26.55,-24.625 23.05,-24.625 23.05,-21.375 18.4,-16.725 18.4,-10.6 21.7,-10.6 21.7,-13.4 27.85,-19.55 27.85,-23.825 28.05,-24.025 28.05,-29.825

## Silkscreen, mask and mechanical layers (free items; w line width, h text height)
Top Overlay:
  drawing of 838 lines, arcs and shapes, not listed
  text "°C" at -34.5,230.032 h3
  text "Florian Baumgartner & Thierry Schwaller" at -138,-2.77 h4
  text "25.04.2022" at -36,-2.77 h4
  text "V1.0" at 16.25,-2.77 h4
  text "OST - Ostschweizer Fachhochschule Rapperswil" at 53,-2.77 h4
  text "BOOT" at -146.16,-4.329 h1.32 r270
  text "TP12 (3V3)" at -136.548,-9.406 h0.81
  text "DEF" at -146.16,-10.74 h1.32 r270
  text "TP13 (RUN_PG)" at -127.748,-18.739 h0.81
  text "TP26 (OTG)" at -137.548,-18.806 h0.81
  text "TP21 (CS)" at 9.952,-19.881 h0.81
  text "TP23 (SCLK)" at 9.952,-21.381 h0.81
  text "TP9 (FB)" at -6.848,-21.406 h0.81
  text "TP6 (FB)" at 35.152,-21.406 h0.81
  text "TP25 (MOSI)" at 9.952,-22.881 h0.81
  text "TP8 (HV)" at -6.848,-22.906 h0.81
  text "TP3 (12V)" at 35.152,-22.906 h0.81
  text "TP24 (MOSI)" at -127.748,-29.406 h0.81
  text "TP22 (SCLK)" at -127.748,-30.906 h0.81
  text "(SYS_RST) TP14" at 43.249,-47.939 h0.81
  text "(SYNC) TP11" at 45.958,-49.506 h0.81
  text "(MOSI) TP20" at 45.687,-51.006 h0.81
  text "(SCLK) TP18" at 45.687,-52.506 h0.81
  text "(HV_EN) TP10" at -81.626,-53.839 h0.81
  text "(CS) TP16" at 47.312,-54.006 h0.81
  text "(DATA) TP19" at 45.687,-55.506 h0.81
  text "(LRCLK) TP17" at 44.874,-57.006 h0.81
  text "(BCLK) TP15" at 45.687,-58.506 h0.81
  text "(100MHz CLK) TP2" at 126.924,-58.906 h0.81
  text "(DOUT) TP1" at 131.935,-60.406 h0.81
  text "(5V) TP5" at -49.511,-76.306 h0.81
  text "(48V) TP4" at -82.024,-76.606 h0.81
  text "GND" at -99.54,-85.864 h2 r270
  text "48V" at -94.46,-85.864 h2 r270
Bottom Overlay:
  drawing of 104 lines, arcs and shapes, not listed
  text "GND" at -35.67,217.771 h1.32 r90
  text "SCL" at -33.13,217.771 h1.32 r90
  text "SCL" at -33.11,217.771 h1.32 r90
  text "SDA" at -30.59,217.771 h1.32 r90
  text "3V3" at -28.05,217.771 h1.32 r90
  text "FAN 1" at -107.764,190.54 h1.32
  text "FAN 2" at -33.794,190.54 h1.32
  text "FAN 3" at 39.956,190.54 h1.32
  text "FAN 4" at 113.706,190.54 h1.32
  text "(3V3)" at -140.507,-9.106 h0.81
  text "(OTG)" at -134.252,-19.215 h0.81
  text "(CS)" at 16.335,-19.906 h0.81
  text "(RUN_PG)" at -123.152,-20.265 h0.81
  text "(FB)" at -1.375,-21.406 h0.81
  text "(SCLK)" at 17.96,-21.406 h0.81
  text "(FB)" at 40.735,-21.506 h0.81
  text "(HV)" at -1.375,-22.906 h0.81
  text "(MOSI)" at 17.825,-22.906 h0.81
  text "(12V)" at 41.412,-23.006 h0.81
  text "(SYS_RST)" at 49.998,-47.939 h0.81
  text "(SYNC)" at 49.998,-49.506 h0.81
  text "(MOSI)" at 49.998,-51.006 h0.81
  text "(SCLK)" at 49.998,-52.506 h0.81
  text "(HV_EN)" at -76.002,-53.839 h0.81
  text "(CS)" at 49.998,-54.006 h0.81
  text "(DATA)" at 49.998,-55.506 h0.81
  text "(LRCLK)" at 49.998,-57.006 h0.81
  text "(BCLK)" at 49.998,-58.506 h0.81
  text "(100MHz CLK)" at 140.598,-58.906 h0.81
  text "(DOUT)" at 140.598,-60.406 h0.81
  text "(5V)" at -46.402,-76.406 h0.81
  text "(48V)" at -78.152,-76.656 h0.81
  text "25.04.2022" at -66.296,-91.827 h2.4
  text "Audio-Beamformer     V1.0" at -38.546,-91.957 h2.4
  text "Florian Baumgartner & Thierry Schwaller" at -38.546,-94.707 h2.4
  text "OST   -   Ostschweizer Fachhochschule" at -38.546,-97.327 h2.4
  text "GND" at -144.917,-105.406 h0.81
Top Solder:
  drawing of 18 lines, arcs and shapes, not listed
Bottom Solder:
  drawing of 30 lines, arcs and shapes, not listed
Mechanical 1:
  lines w0.254: -1.5,-74 cw(c-2.5,-74) -2.5,-75 -26,-75 ccw(c-26,-79) -30,-79 -30,-101 cw(c-34,-101) -34,-105 -102,-105 ccw(c-102,-109) -106,-109 -106,-131 cw(c-110,-131) -110,-135 -146,-135 cw(c-146,-131) -150,-131 -150,-13.725 cw(c-148.793,-13.725) -149.646,-12.871 -148.904,-12.129 ccw(c-149.757,-11.275) -148.55,-11.275 -148.55,-9.975 -148.55,-8.675 ccw(c-149.757,-8.675) -148.904,-7.821 -149.646,-7.079 cw(c-148.793,-6.225) -150,-6.225 -150,210 cw(c-146,210) -146,214 -44,214 ccw(c-44,218) -40,218 -40,237 cw(c-36,237) -36,241 36,241 cw(c36,237) 40,237 40,218 ccw(c44,218) 44,214 146,214 cw(c146,210) 150,210 150,-80 cw(c146,-80) 142,-80 142,-79 ccw(c138,-79) 138,-75 20.5,-75 cw(c20.5,-74) 19.5,-74 ; -36.5,226 ccw(c-35.5,226) -35.5,225 -31,225 ccw(c-31,228) -28,228 -28,237 ccw(c-29,237) -29,238 ccw(c-29,237) -30,237 -30,228 cw(c-31,228) -31,227 -35.5,227 ccw(c-35.5,226) -36.5,226
Mechanical 4:
  drawing of 1212 lines, arcs and shapes, not listed

## Dimensions
-40,237 to 40,237 on Mechanical 16
-150,-131 to 146,-80 on Mechanical 16
-150,-131 to -30,-101 on Mechanical 16
-150,-131 to -106,-131 on Mechanical 16
-150,-131 to -146,-135 on Mechanical 16
-146,-135 to -146,-131 on Mechanical 16
-146,-135 to -146,214 on Mechanical 16
-146,-135 to -146,210 on Mechanical 16